# Altium PCB MainBoard_Layout_V2.1.PcbDoc (part 3 of 3)
Units mil, origin at the board's own origin, x right, y up, seen from the top; angles counter-clockwise.
Board outline 6141.73 x 3281.1 mil, 4 copper layers (Top Layer 1, Top Layer, Bottom Layer, Bottom Layer 1), stack 61.811 mil thick; 308 components, 232 nets, 1106 pads, 632 vias.
Unrouted connection lines stored in the file: 2.
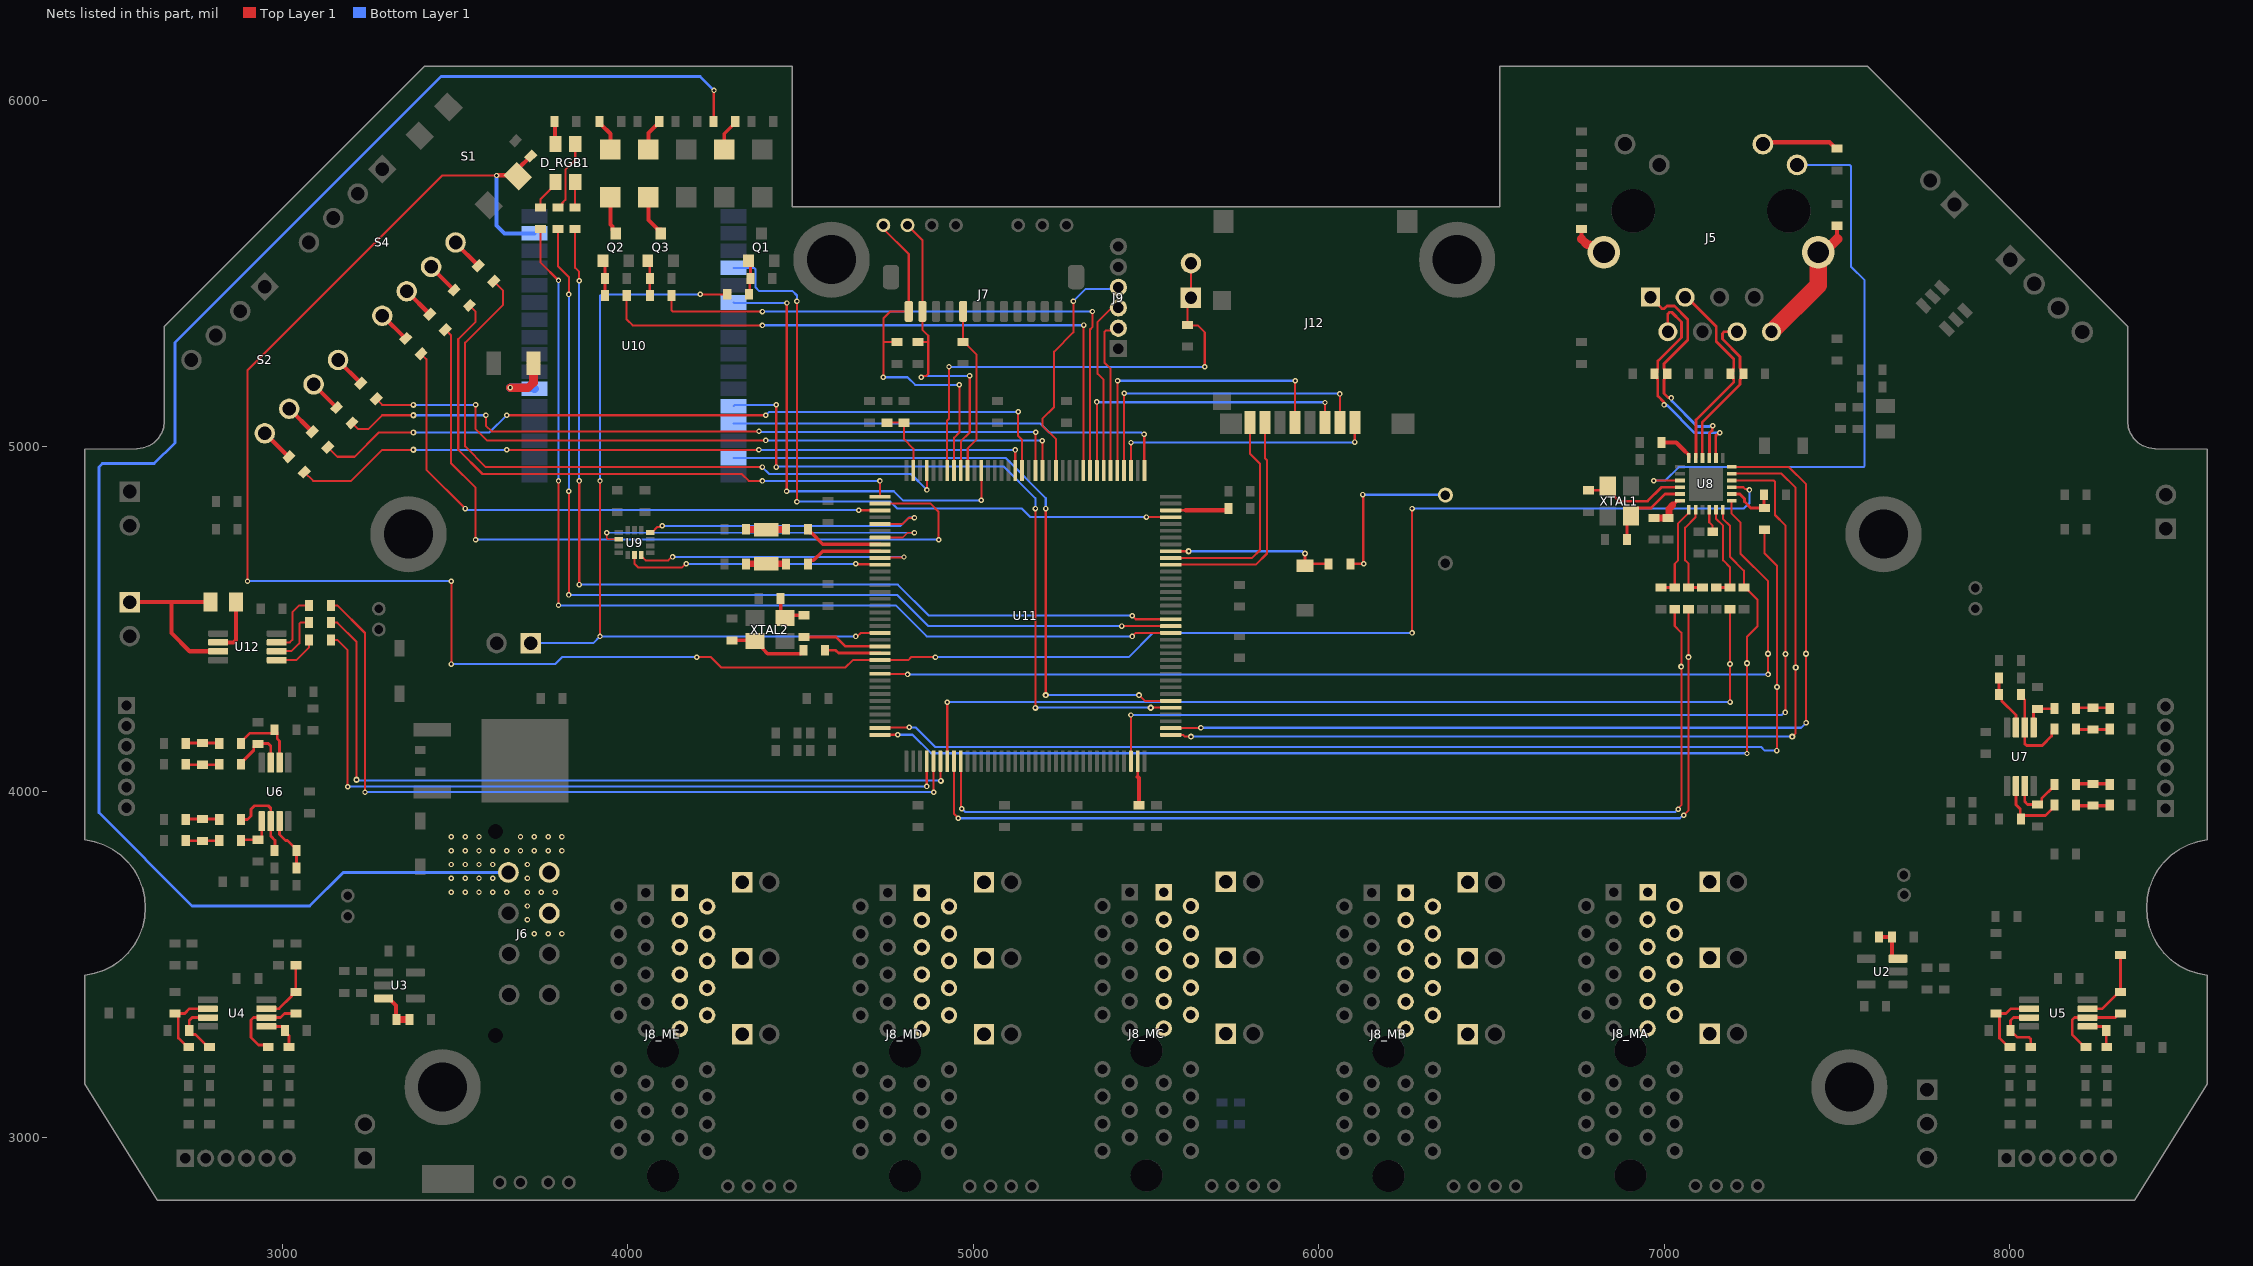
[diagram p5: the nets of this part, all layers, seen from the top]

## Via types
v1: diameter 15.75, hole 7.87, Top Layer 1 to Bottom Layer 1, tented both sides, 488 vias
v2: diameter 17.72, hole 7.87, Top Layer 1 to Bottom Layer 1, tented both sides, 119 vias
v3: diameter 17.72, hole 7.87, Top Layer 1 to Bottom Layer 1, 19 vias
v4: diameter 228.35, hole 141.73, Top Layer 1 to Bottom Layer 1, 6 vias

## Nets (pads, with @x,y where several pads share a name; then routed paths per layer and width w, separated by ;. In a path a pad name is that pad's centre, name@x,y a point inside that pad or via, vN(x,y) a via of type N, cw(c..) or ccw(c..) an arc to the next point about the centre after c; other vN are vias at no path point) (continued)
NetC23_1: C23.1 R35.1 R36.2 | length 98.2
  Top Layer 1 w8: R35.1@2721.5,4140 2722.99,4141.5 C23.1@2770,4141.5 2817.01,4141.5 R36.2@2818.5,4140
NetC23_2: C23.2 R41.1 R42.2 | length 98.2
  Top Layer 1 w8: R41.1@2721.5,4080 2722.99,4078.5 C23.2@2770,4078.5 2817.01,4078.5 R42.2@2818.5,4080
NetC24_1: C24.1 R39.1 R40.2 | length 98.2
  Top Layer 1 w10: R40.2@8191.5,3961.89 8192.99,3960.39 C24.1@8240,3960.39 8287.01,3960.39 R39.1@8288.5,3961.89
NetC24_2: C24.2 R45.1 R46.2 | length 98.2
  Top Layer 1 w10: R46.2@8191.5,4021.89 8192.99,4023.39 C24.2@8240,4023.39 8287.01,4023.39 R45.1@8288.5,4021.89
NetC27_1: C27.1 R47.1 R48.2 | length 98.2
  Top Layer 1 w8: R47.1@2721.5,3920 2722.99,3921.5 C27.1@2770,3921.5 2817.01,3921.5 R48.2@2818.5,3920
NetC27_2: C27.2 R53.1 R54.2 | length 98.2
  Top Layer 1 w8: R53.1@2721.5,3860 2722.99,3858.5 C27.2@2770,3858.5 2817.01,3858.5 R54.2@2818.5,3860
NetC28_1: C28.1 R51.1 R52.2 | length 98.2
  Top Layer 1 w8: R52.2@8191.5,4181.89 8192.99,4180.39 C28.1@8240,4180.39 8287.01,4180.39 R51.1@8288.5,4181.89
NetC28_2: C28.2 R56.1 R57.2 | length 98.2
  Top Layer 1 w8: R57.2@8191.5,4241.89 8192.99,4243.39 C28.2@8240,4243.39 8287.01,4243.39 R56.1@8288.5,4241.89
NetC39_2: C39.2 C40.2 U8.6 | length 110
  Top Layer 1 w10: 7024.25,4830 7036.54,4842.28 U8.6@7045.2,4842.28
  Top Layer 1 w20: C40.2@6970,4792.99 C39.2@7010,4792.99 7011.8,4792.99 7013.61,4794.8 7013.61,4819.36 7024.25,4830
NetD3_1: D3.1 R85.2 U11.100 | length 497.6
  Top Layer 1 w8: U11.100@5571.57,4696.54 v2(5623.46,4696.54) ; v2(5960,4690) D3.1@5960,4654.37 5965.63,4660 R85.2@6028.5,4660
  Bottom Layer 1 w8: v2(5623.46,4696.54) 5950.84,4696.54 5957.37,4690 v2(5960,4690)
NetD_RGB1_1: D_RGB1.1 R97.2 | length 93.9
  Top Layer 1 w6: R97.2@3750,5693.31 R97.2@3748.19,5691.5 3748.19,5715.71 3791.46,5758.98 D_RGB1.1@3791.46,5764.88
NetD_RGB1_2: D_RGB1.2 R96.1 | length 66.1
  Top Layer 1 w12: R96.1@3788.5,5940 3789.98,5938.52 3789.98,5876.59 D_RGB1.2@3791.46,5875.12
NetD_RGB1_3: D_RGB1.3 R95.2 | length 206.8
  Top Layer 1 w6: R95.2@3798.19,5691.5 3802.13,5691.5 3810.94,5700.31 3810.94,5704.24 3820,5713.31 3820,5800 3848.54,5828.54 D_RGB1.3@3848.54,5875.12
NetD_RGB1_4: D_RGB1.4 R94.2 | length 73.5
  Top Layer 1 w6: R94.2@3848.19,5691.5 3848.19,5764.53 D_RGB1.4@3848.54,5764.88
NetDS1_1: DS1.1 R90.2 | length 94.1
  Top Layer 1 w12: R90.2@3918.5,5940 3918.5,5936.06 3924.32,5930.25 3950,5904.57 DS1.1@3950,5858.9
NetDS1_2: DS1.2 Q2.3 | length 112.1
  Top Layer 1 w12: DS1.2@3950,5721.1 3950,5642.44 3956.05,5636.39 3956.05,5625.31 Q2.3@3965.8,5615.56
NetDS2_1: DS2.1 R98.2 | length 95.2
  Top Layer 1 w12: DS2.1@4060,5858.9 4060,5906.43 4083.83,5930.25 4085.68,5930.25 4091.5,5936.06 R98.2@4091.5,5940
NetDS2_2: DS2.2 Q3.3 | length 115.7
  Top Layer 1 w12: DS2.2@4060,5721.1 4060,5654.96 4086.05,5628.91 4086.05,5627.28 Q3.3@4097.13,5627.28
NetF1_1: F1.1 U10.22 | length 201
  Top Layer 1 w25: v1(3660,5170) 3712.84,5170 3727.48,5184.64 F1.1@3727.48,5240
  Bottom Layer 1 w25: v1(3660,5170) 3726.69,5170 U10.22@3730.5,5166.19
NetHV_FB1_1: HV_FB.1 R89.2 U11.21 | length 2387.3
  Top Layer 1 w6: v1(3920,4450) v1(3920,4900) ; v1(4210,5440) R89.2@4288.5,5440 R89.2@4295.77,5440 ; v1(4660,4450) 4664.77,4450 4675.16,4460.39 4730.63,4460.39 U11.21@4731.02,4460.79
  Bottom Layer 1 w6: HV_FB.1@3719.21,4430.67 3900.67,4430.67 v1(3920,4450) v1(4660,4450) ; v1(3920,4900) 3920,5435.28 3924.72,5440 v1(4210,5440)
NetJ9_2: J9.2 U11.114 | length 463.3
  Top Layer 1 w6: U11.114@5397.56,4930.47 5397.56,5224.13 5380,5241.69 5380,5331.22 5383.51,5334.73 J9.2@5433.79,5334.73
NetJ9_3: J9.3 U11.115 | length 522.2
  Top Layer 1 w6: U11.115@5377.48,4930 5377.48,5192.52 5360,5210 5360,5360 5399.51,5399.51 J9.3@5428.57,5399.51
NetJ9_4: J9.4 U11.122 | length 691.3
  Top Layer 1 w6: U11.122@5239.69,4930 5240,4930.31 5240,5020 5200,5060 5200,5080 5233.97,5113.97 5233.97,5273.97 5290,5330 v1(5290,5420)
  Bottom Layer 1 w6: v1(5290,5420) 5325.66,5455.66 J9.4@5422.54,5455.66
NetJ12_1: J12.1 U11.111 | length 785.3
  Top Layer 1 w6: v1(5456.57,5010.87) 5456.61,5010.83 U11.111@5456.61,4930.47 ; v1(6104.11,5012.5) J12.1@6104.11,5069.15
  Bottom Layer 1 w6: v1(5456.57,5010.87) 5457.38,5011.69 6103.3,5011.69 v1(6104.11,5012.5)
NetJ12_2: J12.2 U11.112 | length 930.5
  Top Layer 1 w6: U11.112@5436.93,4930.47 5436.93,5153.64 v1(5437.15,5153.86) ; J12.2@6060.83,5069.17 v1(6060.83,5151.6)
  Bottom Layer 1 w6: v1(5437.15,5153.86) 5438.28,5152.73 6059.7,5152.73 v1(6060.83,5151.6)
NetJ12_3: J12.3 U11.116 | length 914.2
  Top Layer 1 w6: U11.116@5357.46,4933.44 5357.63,4933.61 5357.63,5128.27 v1(5357.46,5128.44) ; J12.3@6017.52,5069.17 6017.96,5069.61 v1(6017.96,5126.96)
  Bottom Layer 1 w6: v1(5357.46,5128.44) 5358.2,5127.7 6017.22,5127.7 v1(6017.96,5126.96)
NetJ12_5: J12.5 U11.113 | length 895
  Top Layer 1 w6: U11.113@5417.24,4930.47 5417.24,5189.28 v1(5417.64,5189.68) ; J12.5@5930.91,5069.17 5930.91,5189.09 v1(5931.84,5190.03)
  Bottom Layer 1 w6: v1(5417.64,5189.68) 5417.82,5189.85 5931.66,5189.85 v1(5931.84,5190.03)
NetJ12_7: J12.7 U11.98 | length 673
  Top Layer 1 w6: U11.98@5571.97,4657.64 5817.64,4657.64 5850,4690 5850,4960 5844.29,4965.71 J12.7@5844.29,5069.17
NetJ12_8: J12.8 U11.99 | length 648.6
  Top Layer 1 w6: U11.99@5571.97,4677.32 5807.32,4677.32 5830,4700 5830,4950 5800.98,4979.02 J12.8@5800.98,5069.17
NetJ13_1: J13.1 R108.2 U12.3 | length 469.3
  Top Layer 1 w12: J13.1@2570.12,4550 2680,4550 R108.2@2793,4550 ; 2680,4549.21 2680,4460 2732.8,4407.2 U12.3@2815.35,4407.2
NetPboot1_1: Pboot1.1 Pboot1.2 R101.1 U11.138 | length 1383.7
  Top Layer 1 w6: U11.138@4924.72,4930 4924.72,5074.72 4930,5080 v1(4930,5230) ; Pboot1.2@5630,5530 Pboot1.1@5630,5430 5620,5420 R101.1@5620,5351.5 5621.5,5350 5650,5350 5670,5330 v1(5670,5230)
  Bottom Layer 1 w6: v1(4930,5230) v1(5670,5230)
NetQ1_1: Q1.1 R89.1 R92.1 | length 100.9
  Top Layer 1 w8: Q1.1@4349.48,5536.82 4355.38,5530.91 R92.1@4355.38,5486.19 4353.44,5484.24 4353.44,5441.94 R89.1@4351.5,5440
NetQ2_1: Q2.1 R91.1 R93.1 | length 103.1
  Top Layer 1 w8: Q2.1@3928.4,5536.82 3934.3,5530.91 R93.1@3934.3,5486.19 R91.1@3934.3,5436.19
NetQ3_1: Q3.1 R99.1 R100.1 | length 103.1
  Top Layer 1 w8: Q3.1@4058.4,5536.82 4064.3,5530.91 R100.1@4064.3,5486.19 R99.1@4064.3,5436.19
NetR2_1: R2.1 R4.2 U2.3 | length 113.6
  Top Layer 1 w12: R2.1@7621.5,3580 R4.2@7658.5,3580 7658.5,3523.21 7664.31,3517.4 U2.3@7675.87,3517.4
NetR3_1: R3.1 R5.2 U3.3 | length 122.4
  Top Layer 1 w12: U3.3@3294.13,3402.6 3309.69,3402.6 3330,3382.28 3330,3343.31 R5.2@3331.5,3341.81
  Top Layer 1 w20: R5.2@3331.5,3341.81 R3.1@3368.5,3341.81
NetR6_2: R6.2 R9.1 U4.2 | length 216.2
  Top Layer 1 w8: R6.2@2690,3358.5 R6.2@2692.19,3358.5 ; R9.1@2730,3261.5 2726.06,3261.5 2700,3287.56 2700,3350.69 R6.2@2692.19,3358.5 ; U4.2@2785.35,3372.8 2732.8,3372.8 2718.5,3358.5 R6.2@2692.19,3358.5
NetR7_2: R7.2 R11.1 U5.2 | length 216.2
  Top Layer 1 w8: R7.2@7960,3358.5 R7.2@7962.19,3358.5 ; R11.1@8000,3261.5 7996.06,3261.5 7970,3287.56 7970,3350.69 R7.2@7962.19,3358.5 ; U5.2@8055.35,3372.8 8002.8,3372.8 7988.5,3358.5 R7.2@7962.19,3358.5
NetR15_1: R15.1 R30.1 U4.3 | length 166.9
  Top Layer 1 w8: U4.3@2785.35,3347.2 2740.2,3347.2 2731.5,3338.5 R30.1@2731.5,3310 2731.5,3306.06 2739.31,3298.25 2749.31,3298.25 2786.06,3261.5 R15.1@2790,3261.5
NetR17_1: R17.1 R32.1 U5.3 | length 180.8
  Top Layer 1 w8: U5.3@8055.35,3347.2 8010.2,3347.2 8001.5,3338.5 R32.1@8001.5,3310 8001.5,3306.06 8009.31,3298.25 8013.24,3298.25 8021.5,3290 8055.31,3290 8060,3285.31 R17.1@8060,3261.5
NetR18_2: R18.2 R21.1 U4.6 | length 249.5
  Top Layer 1 w8: R21.1@2960,3261.5 2953.75,3267.75 2932.25,3267.75 2910,3290 2910,3340 2917.2,3347.2 U4.6@2954.65,3347.2 2954.69,3347.24 2995.58,3347.24 3006.84,3358.5 R18.2@3040,3358.5
NetR19_2: R19.2 R23.1 U5.6 | length 245
  Top Layer 1 w8: R23.1@8220,3261.5 8216.06,3261.5 8180,3297.56 8180,3340 8187.2,3347.2 U5.6@8224.65,3347.2 8304.76,3347.2 8316.06,3358.5 R19.2@8320,3358.5
NetR27_1: R27.1 R31.1 U4.5 | length 114.2
  Top Layer 1 w8: U4.5@2954.65,3321.61 3000.69,3321.61 3000.69,3320 3008.5,3312.19 R31.1@3008.5,3310 3008.5,3306.06 3020,3294.57 R27.1@3020,3261.5
NetR29_1: R29.1 R33.1 U5.5 | length 110
  Top Layer 1 w8: U5.5@8224.65,3321.61 8270.69,3321.61 8270.69,3320 8278.5,3312.19 R33.1@8278.5,3310 8278.5,3262.99 R29.1@8280,3261.5
NetR34_2: R34.2 R36.1 U6.2 | length 218.4
  Top Layer 1 w8: R36.1@2881.5,4140 2881.5,4143.94 2907.56,4170 2970.69,4170 2978.5,4177.81 R34.2@2978.5,4180 2986.32,4172.19 2986.32,4153.69 2992.8,4147.2 U6.2@2992.8,4084.65
NetR37_2: R37.2 R40.1 U7.2 | length 223
  Top Layer 1 w8: U7.2@8017.2,4017.24 8017.2,3962.8 8030,3950 8030,3933.64 8025.05,3928.69 8024.7,3928.69 R37.2@8031.5,3921.89 8031.5,3924.08 8039.31,3931.89 8102.44,3931.89 8128.5,3957.95 R40.1@8128.5,3961.89
NetR42_1: R42.1 R58.1 U6.3 | length 169.9
  Top Layer 1 w8: R42.1@2881.5,4080 2881.5,4082.19 2889.31,4090 2889.31,4091.75 2918.25,4120.69 2918.25,4130.69 2926.06,4138.5 R58.1@2930,4138.5 2931.5,4140 2960,4140 2967.2,4132.8 U6.3@2967.2,4084.65
NetR44_2: R44.2 R48.1 U6.6 | length 245.7
  Top Layer 1 w8: R48.1@2881.5,3920 2900,3920 2910,3930 2910,3950 2920,3960 2960,3960 2967.2,3952.8 U6.6@2967.2,3915.35 2967.2,3872.8 2980,3860 2980,3831.5 R44.2@2978.5,3830
NetR46_1: R46.1 R60.1 U7.3 | length 167
  Top Layer 1 w8: U7.3@8042.8,4017.24 8042.8,3971.89 8051.3,3963.39 R60.1@8080,3963.39 8083.94,3963.39 8091.75,3971.2 8091.75,3981.2 8128.5,4017.95 R46.1@8128.5,4021.89
NetR49_2: R49.2 R52.1 U7.6 | length 261.7
  Top Layer 1 w8: R49.2@8031.5,4281.89 8031.5,4277.95 8042.99,4266.45 8042.99,4186.73 U7.6@8042.8,4186.54 8042.8,4139.36 8047.48,4134.67 8093.49,4134.67 8120.69,4161.88 8120.69,4174.08 R52.1@8128.5,4181.89
NetR54_1: R54.1 R59.1 U6.5 | length 110
  Top Layer 1 w8: R54.1@2881.5,3860 2882.99,3861.5 R59.1@2930,3861.5 2933.8,3861.5 2941.61,3869.31 U6.5@2941.61,3915.35
NetR57_1: R57.1 R61.1 U7.5 | length 110
  Top Layer 1 w8: U7.5@8068.39,4186.54 8068.39,4232.58 8076.2,4240.39 R61.1@8080,4240.39 8127.01,4240.39 R57.1@8128.5,4241.89
NetR73_1: R73.1 U8.10 | length 67.9
  Top Layer 1 w6: U8.10@7129.84,4816.69 7129.84,4780.16 7139.71,4770.29 7139.71,4753.28 R73.1@7140,4752.99
NetR85_1: R85.1 S3.P | length 480.3
  Top Layer 1 w6: v1(6127.05,4860.49) v1@6128.53,4859.01 ; v1@6128.53,4661.47 v1(6130,4660)
  Top Layer 1 w8: R85.1@6091.5,4660 v1(6130,4660) ; v1@6128.53,4661.47 v1@6128.53,4859.01
  Bottom Layer 1 w6: v1(6127.05,4860.49) v1@6127.85,4859.69 ; S3.P@6365.66,4859.69 S3.P@6366.46,4858.9
  Bottom Layer 1 w8: v1@6127.85,4859.69 S3.P@6365.66,4859.69
NetR88_1: R88.1 VCC.1 | length 94.1
  Top Layer 1 w10: VCC.1@4280,5858.9 4280,5904.57 4311.5,5936.06 R88.1@4311.5,5940
NetR91_2: R91.2 U11.118 | length 1821.1
  Top Layer 1 w6: R91.2@3997.3,5436.19 3997.3,5367.03 4014.33,5350 v1(4390,5350) ; U11.118@5318.43,4930 5319.27,4930.84 5319.27,5350.13 v1(5320.11,5350.98)
  Bottom Layer 1 w6: v1(4390,5350) 4390.49,5350.49 5319.62,5350.49 v1(5320.11,5350.98)
NetR94_1: R94.1 U11.90 | length 2786.5
  Top Layer 1 w6: R94.1@3848.19,5628.5 3848.19,5516.32 3859.79,5504.72 v1(3859.79,5479.13) ; v1(3860,4600) v1(3860,4900) ; v1(5460,4510) 5470.31,4499.69 U11.90@5571.57,4499.69
  Bottom Layer 1 w6: v1(3859.79,5479.13) 3859.89,5479.02 3859.89,4900.1 v1(3860,4900) ; v1(3860,4600) 4782.12,4600 4872.12,4510 v1(5460,4510)
NetR95_1: R95.1 U11.89 | length 2850.5
  Top Layer 1 w6: R95.1@3798.19,5628.5 3798.19,5521.81 3830,5490 v1(3830,5439.68) ; v1(3830,4570) v1(3830,4870) ; v1(5430,4480) U11.89@5571.57,4480
  Bottom Layer 1 w6: v1(3830,4570) 4780,4570 4870,4480 v1(5430,4480) ; v1(3830,4870) v1(3830,5439.68)
NetR97_1: R97.1 U11.88 | length 2923.1
  Top Layer 1 w6: R97.1@3748.19,5628.5 3748.19,5531.81 v1(3800,5480) ; v1(3800,4540) v1(3800,4900) ; v1(5460,4450) 5470.31,4460.31 U11.88@5571.57,4460.31
  Bottom Layer 1 w6: v1(3800,4540) 4775.45,4540 4865.45,4450 v1(5460,4450) ; v1(3800,4900) v1(3800,5480)
NetR99_2: R99.2 U11.117 | length 1725
  Top Layer 1 w6: R99.2@4127.3,5436.19 4127.3,5393.51 4130.81,5390 v1(4390,5390) ; U11.117@5338.11,4930 5338.11,5338.11 5345.03,5345.03 v1(5345.03,5390.23)
  Bottom Layer 1 w6: v1(4390,5390) 4390.11,5390.11 5344.91,5390.11 v1(5345.03,5390.23)
NetR102_1: R102.1 R103.1 U11.143 | length 199.1
  Top Layer 1 w6: R103.1@4750,5068.5 R102.1@4800,5068.5 4800,5020 4826.69,4993.31 U11.143@4826.69,4930.47
NetR108_1: R108.1 U12.2 | length 164.7
  Top Layer 1 w12: U12.2@2815.35,4432.8 2859.97,4432.8 2867,4439.82 R108.1@2867,4550
NetR109_1: R109.1 U11.41 | length 2335.5
  Top Layer 1 w6: R109.1@3135.36,4540 3160,4540 3240,4460 v1(3240,3999.46) ; v1(4885.58,3998.83) 4885.47,3998.95 4885.47,4089.25 U11.41@4885.75,4089.53
  Bottom Layer 1 w6: v1(3240,3999.46) 3240.54,4000 4884.41,4000 v1(4885.58,3998.83)
NetR109_2: R109.2 U12.7 | length 188.6
  Top Layer 1 w6: U12.7@2984.65,4432.8 3022.8,4432.8 3030,4440 3030,4520 3050,4540 R109.2@3081.99,4540
NetR110_1: R110.1 U11.42 | length 2244.4
  Top Layer 1 w6: R110.1@3143.27,4490 3160,4490 3215.32,4434.68 3215.32,4035.32 v2(3215.46,4035.18) ; U11.42@4905.43,4089.53 4905.65,4089.31 4905.65,4032.72 v2(4906.26,4032.11)
  Bottom Layer 1 w6: v2(3215.46,4035.18) 3217,4033.64 4904.73,4033.64 v2(4906.26,4032.11)
NetR110_2: R110.2 U12.6 | length 165.8
  Top Layer 1 w6: U12.6@2984.65,4407.2 3027.2,4407.2 3050,4430 3050,4486.49 3053.51,4490 R110.2@3083.08,4490
NetR111_1: R111.1 U11.40 | length 2206.5
  Top Layer 1 w6: R111.1@3139.6,4440 3160,4440 3190,4410 3190,4015.49 v1(3189.79,4015.28) ; v1(4865.29,4015.87) 4865.48,4016.07 U11.40@4865.48,4088.94
  Bottom Layer 1 w6: v1(3189.79,4015.28) 3190.09,4015.58 4864.99,4015.58 v1(4865.29,4015.87)
NetR111_2: R111.2 U12.5 | length 130.6
  Top Layer 1 w6: U12.5@2984.65,4381.61 3041.61,4381.61 3078.5,4418.5 R111.2@3078.5,4440
NetR115_1: R115.1 S2.1B | length 94.9
  Top Layer 1 w12: S2.1B@3162.13,5250 3162.13,5248.93 3227.73,5183.34 R115.1@3227.73,5182.27
NetR115_2: R115.2 U11.124 | length 2105.6
  Top Layer 1 w6: R115.2@3272.27,5137.73 3290,5120 v2(3380,5120) ; v1(3560,5120) 3560,5050 3593.4,5016.6 4398.83,5016.6 v1(4399.35,5017.13) ; v1(5199.92,5015.82) 5200.12,5015.63 5200.12,4930.2 U11.124@5200.31,4930
  Bottom Layer 1 w6: v2(3380,5120) v1(3560,5120) ; v1(4399.35,5017.13) 4400.01,5016.48 5199.27,5016.48 v1(5199.92,5015.82)
NetR116_1: R116.1 S2.2B | length 94.5
  Top Layer 1 w12: S2.2B@3091.42,5179.29 3091.42,5178.93 3157.73,5112.63 R116.1@3157.73,5112.27
NetR116_2: R116.2 U11.125 | length 2151
  Top Layer 1 w6: R116.2@3202.27,5067.73 3220,5050 3250,5050 3290,5090 v2(3380,5090) ; v1(3590,5090) 3590,5060 3606.62,5043.38 v1(4380.17,5043.38) ; U11.125@5180.63,4930 5180.68,4930.05 5180.68,5040.52 v1(5180.73,5040.57)
  Bottom Layer 1 w6: v2(3380,5090) v1(3590,5090) ; v1(4380.17,5043.38) 4381.57,5041.98 5179.33,5041.98 v1(5180.73,5040.57)
NetR117_1: R117.1 S2.3B | length 94.5
  Top Layer 1 w12: S2.3B@3020.71,5108.58 3021.07,5108.58 3087.37,5042.27 R117.1@3087.73,5042.27
NetR117_2: R117.2 U11.127 | length 2237.7
  Top Layer 1 w6: R117.2@3132.27,4997.73 3160,4970 3210,4970 3280,5040 v2(3380,5040) ; v1(3650,5090) v1(4400,5090) ; v1(5130,5100) 5130,5030 5141.26,5018.74 U11.127@5141.26,4930
  Bottom Layer 1 w6: v2(3380,5040) 3600,5040 v1(3650,5090) ; v1(4400,5090) 4410,5100 v1(5130,5100)
NetR118_1: R118.1 S2.4B | length 98.1
  Top Layer 1 w12: S2.4B@2950,5037.87 2951.07,5037.87 3018.93,4970 R118.1@3020,4970
NetR118_2: R118.2 U11.128 | length 2164.6
  Top Layer 1 w6: R118.2@3064.54,4925.46 3090,4900 3200,4900 3290,4990 v2(3380,4990) ; v1(3650,4990) v1(4380,4990) ; U11.128@5121.57,4930 v1@5121.56,4989.51
  Bottom Layer 1 w6: v2(3380,4990) v1(3650,4990) ; v1(4380,4990) 5121.06,4990 v1(5121.54,4989.53)
NetR119_1: R119.1 S4.1B | length 94.9
  Top Layer 1 w12: S4.1B@3502.13,5590 3502.13,5588.93 3567.73,5523.34 R119.1@3567.73,5522.27
NetR119_2: R119.2 U11.141 | length 1979.6
  Top Layer 1 w6: R119.2@3612.27,5477.73 3640,5450 3640,5410 3530,5300 3530,5000 3590,4940 v1(4390,4940) ; v1(4866.06,4873.94) U11.141@4866.06,4930.47
  Bottom Layer 1 w6: v1(4390,4940) 4410,4920 4820,4920 v1(4866.06,4873.94)
NetR120_1: R120.1 S4.2B | length 94.5
  Top Layer 1 w12: S4.2B@3431.42,5519.29 3431.42,5518.93 3497.73,5452.63 R120.1@3497.73,5452.27
NetR120_2: R120.2 U11.1 | length 1749.3
  Top Layer 1 w6: R120.2@3542.27,5407.73 3560,5390 3560,5360 3510,5310 3510,4990 3580,4920 4330,4920 4350,4900 v1(4390,4900) ; v1(4730,4900) 4730,4854.65 U11.1@4730.63,4854.02
  Bottom Layer 1 w6: v1(4390,4900) v1(4730,4900)
NetR121_1: R121.1 S4.3B | length 94.5
  Top Layer 1 w12: S4.3B@3360.71,5448.58 3361.07,5448.58 3427.37,5382.27 R121.1@3427.73,5382.27
NetR121_2: R121.2 U11.2 | length 2243.3
  Top Layer 1 w6: R121.2@3472.27,5337.73 3488.97,5321.03 3488.97,4951.03 3560,4880 v1(3560,4730) ; U11.2@4731.02,4834.8 4875.2,4834.8 4900,4810 v1(4900,4730)
  Bottom Layer 1 w6: v1(3560,4730) v1(4900,4730)
NetR122_1: R122.1 S4.4B | length 94.9
  Top Layer 1 w12: S4.4B@3290,5377.87 3291.07,5377.87 3356.66,5312.27 R122.1@3357.73,5312.27
NetR122_2: R122.2 U11.3 | length 1700.5
  Top Layer 1 w6: R122.2@3402.27,5267.73 3417.51,5252.49 3417.51,4932.49 v1(3530,4820) ; v1@4668.86,4815.12 U11.3@4731.02,4815.12
  Bottom Layer 1 w6: v1@3532.64,4820 3537.14,4815.49 v1(4668.48,4815.49)
NetU9_4: U9.4 U11.5 | length 888.5
  Top Layer 1 w6: U9.4@4065.67,4751.02 4070.79,4751.02 4086.58,4766.82 4096.63,4766.82 v1(4100,4770.19) ; U11.5@4731.02,4775.75 4795.75,4775.75 4813.1,4793.1 4829.36,4793.1 v1(4829.95,4793.69)
  Bottom Layer 1 w6: v1(4100,4770.19) 4100.19,4770 4790,4770 4813.69,4793.69 v1(4829.95,4793.69)
NetU9_9: U9.9 U11.7 | length 1045.9
  Top Layer 1 w5: v1(3940,4750) 3940,4734.27 3942.93,4731.34 U9.9@3974.33,4731.34 ; U11.7@4731.02,4736.38 4796.38,4736.38 4810,4750 v1(4830,4750)
  Bottom Layer 1 w5: v1(3940,4750) v1(4830,4750)
NetU9_13: U9.13 U11.11 | length 746
  Top Layer 1 w6: U9.13@4020,4685.67 4020,4660 4030,4650 4157.67,4650 4167.67,4660 v1(4170,4660) ; v1(4660,4660) 4661.18,4658.82 4729.84,4658.82 U11.11@4731.02,4657.64
  Bottom Layer 1 w6: v1(4170,4660) v1(4660,4660)
NetU9_14: U9.14 U11.10 | length 843.7
  Top Layer 1 w6: U9.14@4039.68,4685.67 4039.68,4680.55 4043.57,4676.66 4045.49,4676.66 4052.15,4670 4117.67,4670 4127.67,4680 v1(4130,4680) ; U11.10@4731.02,4677.32 4732.27,4678.57 4798.57,4678.57 v1(4799.81,4679.81)
  Bottom Layer 1 w6: v1(4130,4680) 4130.09,4679.91 4799.72,4679.91 v1(4799.81,4679.81)
NetU10_4: U10.4 U11.105 | length 1943.9
  Top Layer 1 w6: v1(4490,4840) v1(4490,5420) ; v1(5501.27,4795.43) U11.105@5571.97,4795.43
  Bottom Layer 1 w6: U10.4@4306.88,5516.19 4366.49,5516.19 4370,5512.67 4370,5460 4380,5450 4476.49,5450 4490,5436.49 v1(4490,5420) ; v1(4490,4840) 4760,4840 4780,4820 5140,4820 5164.57,4795.43 v1(5501.27,4795.43)
NetU10_6: U10.6 U11.133 | length 1361
  Top Layer 1 w6: v1(4460,4870) 4460.44,4870.44 4460.44,5414.36 v1(4460.88,5414.81) ; U11.133@5023.54,4930.47 5023.54,4843.82 v1(5023.61,4843.75)
  Bottom Layer 1 w6: U10.6@4306.88,5416.19 4308.26,5414.81 v1(4460.88,5414.81) ; v1(4460,4870) 4770,4870 4796.25,4843.75 v1(5023.61,4843.75)
NetU10_12: U10.12 U11.77 | length 2087.9
  Top Layer 1 w6: v1(4430,4940) v1(4430,5120) ; v2@5180,4247.77 v1(5180,4820) ; v2(5513.78,4243.78) U11.77@5571.57,4243.78 ; U11.77@5571.57,4244.25 U11.77@5571.97,4244.25
  Bottom Layer 1 w6: U10.12@4306.88,5116.19 4310.69,5120 v1(4430,5120) ; v1(4430,4940) 4431.74,4941.74 5088.26,4941.74 5180,4850 v1(5180,4820) ; v2(5179.92,4243.41) 5180.28,4243.78 v2(5513.78,4243.78)
NetU10_13: U10.13 U11.109 | length 1305.4
  Top Layer 1 w6: v1(5494.44,5034.65) 5495.02,5034.07 5495.02,4931.44 U11.109@5495.92,4930.54
  Bottom Layer 1 w6: U10.13@4306.88,5066.19 4306.93,5066.14 5171.37,5066.14 ; 5171.37,5066.2 5193.8,5066.2 5220,5040 5486.45,5040 5491.81,5034.65 v1(5494.44,5034.65)
NetU10_15: U10.15 U11.78 | length 1890.3
  Top Layer 1 w6: v2(5210,4280) v1(5210,4820) ; v2(5480,4280) 5496.54,4263.46 U11.78@5571.5,4263.46 ; U11.78@5571.57,4263.46 U11.78@5571.5,4263.46 ; U11.78@5571.97,4263.94 U11.78@5571.5,4263.46
  Bottom Layer 1 w6: U10.15@4306.88,4966.19 5093.81,4966.19 5210,4850 v1(5210,4820) ; v2(5210,4280) v2(5480,4280)
NRST: C49.2 S1.4 U8.15 U10.31 U11.25 | length 7072.1
  Top Layer 1 w6: v1(2900,4610) 2900,5220 3463.69,5783.69 v1(3620.7,5783.69) ; v1(3490,4370) v1(3490,4610) ; v1(4200,4390) 4241.25,4390 4271.25,4360 4630,4360 4651.57,4381.57 U11.25@4730.63,4381.57 4811.57,4381.57 4820,4390 v1(4890.7,4390) ; v1(6270,4460) v1(6270,4820) ; U8.15@7194.8,4881.65 7228.35,4881.65 7232.8,4877.2 7242.8,4877.2 v1(7246.17,4873.83)
  Top Layer 1 w12: v1(3620.7,5783.69) 3621.34,5784.32 3679.19,5784.32 S1.4@3681.98,5781.54 3681.98,5801.98 C49.2@3720,5840
  Bottom Layer 1 w6: v1(2900,4610) v1(3490,4610) ; v1(3490,4370) 3790,4370 3810,4390 v1(4200,4390) ; v1(4890.7,4390) 5450,4390 5520,4460 v1(6270,4460) ; v1(6270,4820) 7230,4820 7246.17,4836.17 v1(7246.17,4873.83)
  Bottom Layer 1 w12: v1(3620.7,5783.69) 3620.7,5639.3 3643.81,5616.19 U10.31@3730.5,5616.19
OSC32_IN: C73.1 R106.1 XTAL3.2 | length 116.2
  Top Layer 1 w20: C73.1@4342.99,4760 4343.39,4759.61 4401.1,4759.61 XTAL3.2@4401.5,4759.21 4401.89,4759.61 4458.11,4759.61 R106.1@4458.5,4760
OSC32_OUT: C74.1 R107.1 XTAL3.1 | length 116.2
  Top Layer 1 w20: C74.1@4342.99,4660 4343.39,4660.39 4401.1,4660.39 XTAL3.1@4401.5,4660.79 4401.89,4660.39 4458.11,4660.39 R107.1@4458.5,4660
OSC_IN: C52.1 R104.1 XTAL2.3 | length 130
  Top Layer 1 w10: C52.1@4442.99,4570 4442.99,4515.28 XTAL2.3@4454.8,4503.46 4462.83,4511.5 R104.1@4510,4511.5
OSC_OUT: C72.1 R105.1 XTAL2.1 | length 231.3
  Top Layer 1 w10: C72.1@4301.5,4438.5 4366.22,4438.5 XTAL2.1@4368.19,4436.54 4372.13,4436.54 4390.75,4417.91 4390.75,4413.98 4404.72,4400 4501.69,4400 4508.5,4406.81 R105.1@4508.5,4410
PC14-OSC32_IN: R106.2 U11.8 | length 229.8
  Top Layer 1 w10: R106.2@4521.5,4760 4521.5,4756.06 4528.31,4749.25 4532.24,4749.25 4564.8,4716.69 U11.8@4731.02,4716.69
PC15-OSC32_OUT: R107.2 U11.9 | length 227.2
  Top Layer 1 w10: R107.2@4521.5,4660 4521.5,4663.94 4528.31,4670.75 4537.81,4670.75 4564.07,4697.01 U11.9@4731.02,4697.01
PH0-OSC_IN: R104.2 U11.23 | length 232.2
  Top Layer 1 w8: R104.2@4510,4448.5 4602.91,4448.5 4630,4421.42 U11.23@4731.02,4421.42
PH1-OSC_OUT: R105.2 U11.24 | length 163
  Top Layer 1 w8: R105.2@4571.5,4410 4601.73,4410 4610,4401.73 U11.24@4731.02,4401.73
PHY_OSC1: C45.2 U8.4 XTAL1.3 | length 311.4
  Top Layer 1 w8: C45.2@6780,4872.99 6824.72,4872.99 XTAL1.3@6836.54,4884.8 6856.16,4865.18 6856.16,4853.84 6868.63,4841.37 6951.37,4841.37 6991.65,4881.65 U8.4@7045.2,4881.65
PHY_OSC2: C44.2 U8.5 XTAL1.1 | length 243.6
  Top Layer 1 w8: C44.2@6891.5,4730 6891.5,4786.22 XTAL1.1@6903.46,4798.19 6903.46,4802.13 6923.09,4821.75 6961.75,4821.75 7001.97,4861.97 U8.5@7045.2,4861.97
PMS_ALERT_PWR_BRD: J7.5 R84.1 U11.135 | length 489.3
  Top Layer 1 w6: J7.5@4970.94,5390.59 4970.94,5300.55 4974.88,5300.55 4982.75,5292.69 5010,5265.43 5010,5020 4984.17,4994.17 U11.135@4984.17,4930.47
PMS_SCL_PWR_BRD: J7.2 PMS_SCL.1 R83.1 U11.136 | length 935.5
  Top Layer 1 w6: PMS_SCL.1@4810,5640 4852.83,5597.17 J7.2@4852.83,5390.59 4852.83,5337.17 4870,5320 4870,5300 ; R83.1@4840,5301.5 4868.5,5301.5 4870,5300 ; v1(4850,5200) 4853.37,5203.37 4863.37,5203.37 4870,5210 4870,5300 ; U11.136@4964.49,4930.47 4964.49,5014.49 4990,5040 4990,5203.8 v1(4989.49,5204.31)
  Bottom Layer 1 w6: v1(4850,5200) 4851.87,5201.87 4856.84,5201.87 4858.39,5203.42 4988.59,5203.42 v1(4989.49,5204.31)
PMS_SDA_PWR_BRD: J7.1 PMS_SDA.1 R82.1 U11.137 | length 1054.8
  Top Layer 1 w6: v1(4740,5200) 4740,5300 4740,5301.5 ; PMS_SDA.1@4740,5640 4740,5630 4813.46,5556.54 J7.1@4813.46,5390.59 4760.59,5390.59 4740,5370 4740,5301.5 ; R82.1@4780,5301.5 4740,5301.5 ; U11.137@4944.8,4930.47 4944.8,5024.8 4960,5040 v1(4960,5178.04)
  Bottom Layer 1 w6: v1(4740,5200) 4810,5200 4831.96,5178.04 v1(4960,5178.04)
RA: J5.12 U8.3 | length 1746.8
  Top Layer 1 w6: v1(6968.96,4900.21) 6969.52,4900.77 7044.63,4900.77 U8.3@7045.2,4901.34
  Bottom Layer 1 w6: v1(6968.96,4900.21) 6969.59,4900.85 7001.91,4900.85 7041.06,4940 7576.17,4940 7579.69,4943.51 7579.69,5480.31 7540,5520 7540,5811.05 7536.49,5814.57 J5.12@7384.02,5814.57
RBIAS: R75.2 U8.24 | length 103.1
  Top Layer 1 w10: 7060,4985.75 7070.79,4974.96 U8.24@7070.79,4966.3
  Top Layer 1 w12: R75.2@6991.5,5011.5 7034.25,5011.5 7060,4985.75
RC: J5.11 R81.1 | length 225
  Top Layer 1 w12: J5.11@7285,5874.41 7290.59,5880 7477.56,5880 7496.06,5861.5 R81.1@7500,5861.5
RD_N: J5.6 R65.2 U8.22 | length 479.2
  Top Layer 1 w8: U8.22@7110.16,4966.3 7109.31,4967.14 7109.31,5069.31 7219,5179 7219,5193.57 7220.69,5195.26 7220.69,5202.19 R65.2@7228.5,5210 7220.69,5217.81 7220.69,5224.74 7219,5226.43 7219,5259.36 7168,5310.36 7168,5326.81 7172.69,5331.5 J5.6@7210,5331.5
RD_P: J5.3 R67.2 U8.23 | length 580.6
  Top Layer 1 w8: J5.3@7060,5431.5 7065.71,5431.5 7150,5347.21 7150,5302.91 7201,5251.91 7201,5226.43 7199.31,5224.74 7199.31,5217.81 R67.2@7191.5,5210 7199.31,5202.19 7199.31,5195.26 7201,5193.57 7201,5186.46 7091.31,5076.77 7091.31,4967.14 U8.23@7090.47,4966.3
RMII_CRS_DV: R74.2 U11.43 | length 2704.6
  Top Layer 1 w6: v1(4925.01,4259.48) 4924.87,4259.34 4924.87,4089.78 U11.43@4925.12,4089.53 ; v1(7190,4260) R74.2@7190,4528.5
  Bottom Layer 1 w6: v1(4925.01,4259.48) 4926.17,4260.64 6205.09,4260.64 6205.99,4259.74 7189.74,4259.74 v1(7190,4260)
  other v3: 7190,4370
RMII_CRS_DV_PHY: R64.1 R74.1 U8.11 | length 282
  Top Layer 1 w6: U8.11@7149.53,4816.69 7149.53,4790.47 7170,4770 7170,4670 7190,4650 R74.1@7190,4591.5
  Top Layer 1 w8: R64.1@7150,4591.5 R74.1@7190,4591.5
RMII_MDC: U8.13 U11.27 | length 3115.9
  Top Layer 1 w6: U11.27@4731.02,4342.68 4732.36,4341.34 4808.66,4341.34 v1(4810,4340) ; U8.13@7194.8,4842.28 7194.8,4805.2 7220,4780 7220,4690 7300,4610 v1(7300,4340)
  Bottom Layer 1 w6: v1(4810,4340) v1(7300,4340)
  other v3: 7300,4400
RMII_MDIO: R63.1 U8.12 U11.36 | length 3292.8
  Top Layer 1 w6: U11.36@4731.02,4165.51 v1(4781.55,4165.51) ; U8.12@7169.21,4816.69 7169.21,4790.79 7190,4770 7190,4680 7230,4640 R63.1@7230,4591.5 7233.94,4591.5 7270,4555.43 7270,4480 7239.07,4449.07 v1(7239.07,4111.24)
  Bottom Layer 1 w6: v1(4781.55,4165.51) 4824.49,4165.51 4878.11,4111.89 7238.43,4111.89 v1(7239.07,4111.24)
  other v3: 7239.16,4372.54
RMII_REF_CLK: R76.2 U11.35 | length 3277
  Top Layer 1 w6: U11.35@4731.02,4185.2 4731.96,4186.13 4814.14,4186.13 v1(4815.07,4187.07) ; R76.2@7290,4758.5 7290,4690 7326.18,4653.82 7326.18,4120.77 v1(7325.13,4119.72)
  Bottom Layer 1 w6: v1(4815.07,4187.07) 4832.93,4187.07 4890,4130 7280,4130 7290.28,4119.72 v1(7325.13,4119.72)
  other v3: 7326.08,4303.48
RMII_REF_CLK_PHY: R62.1 R76.1 U8.14 | length 156.1
  Top Layer 1 w8: U8.14@7194.8,4861.97 7218.03,4861.97 7231.5,4848.5 7231.5,4840 7250,4821.5 R76.1@7290,4821.5 7288.5,4822.99 R62.1@7288.5,4860
RMII_RXD0: R71.2 U11.44 | length 2874.9
  Top Layer 1 w6: U11.44@4944.41,4089.06 4944.41,3936.53 v1(4957.1,3923.84) ; v1(7056.07,3932.68) 7070,3946.61 R71.2@7070,4528.5
  Top Layer 1 w8: v1(7056.07,3932.68) v1@7056.07,3932.93
  Bottom Layer 1 w6: v1(4957.1,3923.84) 7044.59,3923.84 7053.43,3932.68 v1(7056.07,3932.68)
  other v3: 7070,4390
RMII_RXD0_PHY: R68.1 R71.1 U8.8 | length 282
  Top Layer 1 w6: R71.1@7070,4591.5 7070,4660 7060,4670 7060,4765 7090,4795 7090,4816.22 U8.8@7090.47,4816.69
  Top Layer 1 w8: R71.1@7070,4591.5 R68.1@7110,4591.5
RMII_RXD1: R72.2 U11.45 | length 2809.1
  Top Layer 1 w6: U11.45@4964.09,4089.06 4964.09,3956.87 4967.18,3953.78 v1(4967.18,3951.14) ; R72.2@7030,4528.5 7030,4480 7048.99,4461.01 7048.99,3961.63 7040,3952.64 v1(7040,3950)
  Bottom Layer 1 w6: v1(4967.18,3951.14) 4976.17,3942.15 7031.61,3942.15 7039.46,3950 v1(7040,3950)
  other v3: 7048.63,4362.57
RMII_RXD1_PHY: R66.1 R72.1 U8.7 | length 282.1
  Top Layer 1 w6: R72.1@7030,4591.5 7030,4660 7040,4670 7040,4777.24 7070.79,4808.03 U8.7@7070.79,4816.69
  Top Layer 1 w8: R66.1@6990,4591.5 R72.1@7030,4591.5
RMII_TX_EN: U8.16 U11.70 | length 2836.7
  Top Layer 1 w6: v1(5456.36,4222.56) 5456.29,4222.49 5456.29,4089.85 U11.70@5456.56,4089.59 ; U8.16@7194.8,4901.34 7316.49,4901.34 7320,4897.82 7320,4801.27 7350,4771.27 v1(7350,4230)
  Bottom Layer 1 w6: v1(5456.36,4222.56) 7339.92,4222.56 7347.36,4230 v1(7350,4230)
  other v3: 7350.18,4399.05
RMII_TXD0: U8.17 U11.73 | length 2726.8
  Top Layer 1 w6: U11.73@5571.57,4165.04 5571.88,4164.73 5607.41,4164.73 5612.14,4160 v2(5630,4160) ; U8.17@7194.8,4921.02 7338.98,4921.02 7380,4880 7380,4170 v2(7370,4160)
  Bottom Layer 1 w6: v2(5630,4160) v2(7370,4160)
  other v3: 7380,4360
RMII_TXD1: U8.18 U11.74 | length 2771.3
  Top Layer 1 w6: U11.74@5571.57,4184.72 5572.03,4185.18 5658.6,4185.18 v1(5659.06,4185.64) ; U8.18@7194.8,4940.71 7359.29,4940.71 7410,4890 v1(7410,4200)
  Top Layer 1 w8: U11.74@5571.97,4185.2 U11.74@5572.19,4185.42
  Bottom Layer 1 w6: v1(5659.06,4185.64) 7395.64,4185.64 v1(7410,4200)
  other v3: 7410,4400
SHGND: J5.8 J5.S1 J5.S2 R77.1 R78.1 | length 504.7
  Top Layer 1 w12: 6760,5600 R77.1@6760,5628.5 ; 7500,5600 R78.1@7500,5638.5
  Top Layer 1 w25: 6760,5600 6776.85,5583.15 6784.42,5583.15 6806.16,5561.42 J5.S2@6824.96,5561.42
  Top Layer 1 w30: J5.S1@7445.04,5561.42 7461.42,5561.42 7500,5600
  Top Layer 1 w50: J5.8@7310,5331.5 7445.04,5466.54 J5.S1@7445.04,5561.42
SIN_A: R18.1 R24.2 U4.7 | length 184.8
  Top Layer 1 w8: U4.7@2954.65,3372.8 2991.3,3372.8 3028.25,3409.75 3028.25,3413.69 3036.06,3421.5 R18.1@3040,3421.5 R24.2@3040,3498.5
SIN_B: R49.1 R55.2 U7.7 | length 163.6
  Top Layer 1 w8: R55.2@7968.5,4330 R49.1@7968.5,4281.89 7976.31,4274.08 7976.31,4263.69 8017.2,4222.8 U7.7@8017.2,4186.54
SIN_C: R19.1 R25.2 U5.7 | length 222.5
  Top Layer 1 w8: U5.7@8224.65,3372.8 8267.36,3372.8 8316.06,3421.5 R19.1@8320,3421.5 R25.2@8320,3528.5
SIN_D: R44.1 R50.2 U6.7 | length 158.7
  Top Layer 1 w8: U6.7@2992.8,3915.35 2992.8,3877.2 3010.52,3859.48 3015.96,3859.48 3041.5,3833.94 R44.1@3041.5,3830 R50.2@3041.5,3780
TD_N: J5.2 R69.2 U8.20 | length 663.2
  Top Layer 1 w8: v1(6999.19,5119.76) 6997.71,5121.24 6997.71,5129.04 6981,5145.75 6981,5193.57 6979.31,5195.26 6979.31,5200.38 6971.5,5208.19 6979.31,5216 6979.31,5222.93 6981,5224.62 6981,5246.61 7049.52,5315.13 7049.52,5359.89 7021.31,5388.1 7014.69,5388.1 7010,5383.41 J5.2@7010,5331.5 ; U8.20@7149.53,4966.3 7148.69,4967.14 7148.69,5030.63 7153.37,5035.31 7154.27,5035.31 7158.14,5039.19 v1(7160.24,5039.19)
  Bottom Layer 1 w8: v1(6999.19,5119.76) 7000.67,5118.28 7008.47,5118.28 7087.56,5039.19 v1(7160.24,5039.19)
TD_P: J5.1 R70.2 U8.21 | length 675.2
  Top Layer 1 w8: J5.1@6960,5431.5 6993,5398.5 6999.63,5398.5 7007.23,5406.1 7028.77,5406.1 7067.52,5367.35 7067.52,5307.67 6999,5239.15 6999,5224.62 7000.69,5222.93 7000.69,5216 7008.5,5208.19 7000.69,5200.38 7000.69,5195.26 6999,5193.57 6999,5153.2 7010.72,5141.48 7018.52,5141.48 v1(7020,5140) ; U8.21@7129.84,4966.3 7130.69,4967.14 7130.69,5038.08 7138.52,5045.92 7138.52,5058.52 v1(7140,5060)
  Bottom Layer 1 w8: v1(7020,5140) 7021.48,5138.52 7021.48,5130.72 7095.01,5057.19 7131.71,5057.19 7133.04,5058.52 7138.52,5058.52 v1(7140,5060)
VCAP0: C54.1 U11.71 | length 129.6
  Top Layer 1 w8: 5476.3,4043.7 U11.71@5476.3,4089.53
  Top Layer 1 w12: 5476.3,4043.7 5480,4040 C54.1@5480,3961.5
VCAP1: C55.1 U11.106 | length 168.6
  Top Layer 1 w8: U11.106@5571.97,4815.12 5615.12,4815.12
  Top Layer 1 w12: 5615.12,4815.12 5733.62,4815.12 C55.1@5738.5,4820
VCC: C46_MA.1 C46_MB.1 C46_MC.1 C46_MD.1 C46_ME.1 C47_MA.1 C47_MB.1 C47_MC.1 C47_MD.1 C47_ME.1 C48_MA.1 C48_MB.1 C48_MC.1 C48_MD.1 C48_ME.1 J6.1 J6.2 J6.5 J8_MA.A1 J8_MA.A2 J8_MA.A3 J8_MA.A4 J8_MA.A5 J8_MA.A6 J8_MA.A7 J8_MA.A8 J8_MA.A9 J8_MA.A10 J8_MA.A11 J8_MB.A1 J8_MB.A2 J8_MB.A3 J8_MB.A4 J8_MB.A5 J8_MB.A6 J8_MB.A7 J8_MB.A8 J8_MB.A9 J8_MB.A10 J8_MB.A11 J8_MC.A1 J8_MC.A2 J8_MC.A3 J8_MC.A4 J8_MC.A5 J8_MC.A6 J8_MC.A7 J8_MC.A8 J8_MC.A9 J8_MC.A10 J8_MC.A11 J8_MD.A1 J8_MD.A2 J8_MD.A3 J8_MD.A4 J8_MD.A5 J8_MD.A6 J8_MD.A7 J8_MD.A8 J8_MD.A9 J8_MD.A10 J8_MD.A11 J8_ME.A1 J8_ME.A2 J8_ME.A3 J8_ME.A4 J8_ME.A5 J8_ME.A6 J8_ME.A7 J8_ME.A8 J8_ME.A9 J8_ME.A10 J8_ME.A11 R88.2 | length 4862.2
  Top Layer 1 w8: R88.2@4248.5,5940 4249.25,5940.75 4249.25,6029.25 v1(4250,6030)
  Bottom Layer 1 w8: J6.5@3654.96,3767.17 3177.17,3767.17 3080,3670 2740,3670 2470,3940 2470,4940 2480,4950 2630,4950 2690,5010 2690,5300 3460,6070 4210,6070 v1(4250,6030)
  other v1: 3730,3590 3770,3590 3810,3590 3710,3630 3710,3670 3490,3710 3530,3710 3570,3710 3610,3710 3650,3710 3710,3710 3750,3710 3790,3710 3490,3750 3530,3750 3570,3750 3610,3750 3710,3750 3490,3790 3530,3790 3570,3790 3610,3790 3710,3790 3490,3830 3530,3830 3570,3830 3610,3830 3650,3830 3690,3830 3730,3830 3770,3830 3810,3830 3490,3870 3530,3870 3570,3870 3690,3870 3730,3870 3770,3870 3810,3870
pads on no net: HV_FB.2 J5.7 J5.None J6.9 J7.NC J8_MA. J8_MA.A13 J8_MA.A17 J8_MA.A18 J8_MA.B12 J8_MA.B13 J8_MA.B14 J8_MB. J8_MB.A13 J8_MB.A17 J8_MB.A18 J8_MB.B12 J8_MB.B13 J8_MB.B14 J8_MC. J8_MC.A13 J8_MC.A17 J8_MC.A18 J8_MC.B12 J8_MC.B13 J8_MC.B14 J8_MD. J8_MD.A13 J8_MD.A17 J8_MD.A18 J8_MD.B12 J8_MD.B13 J8_MD.B14 J8_ME. J8_ME.A13 J8_ME.A17 J8_ME.A18 J8_ME.B12 J8_ME.B13 J8_ME.B14 J9.6 J12.9 J12.10 J12.11 J12.12 J12.13 J12.14 S1.1 S1.3 U9.1 U9.10 U9.11 U9.12 U10.1 U10.2 U10.3 U10.7 U10.9 U10.10 U10.11 U10.14 U10.16 U10.17 U10.18 U10.19 U10.20 U10.21 U10.23 U10.25 U10.28 U10.30 U10.32 U11.4 U11.87 U11.92 U11.102 U11.103 U11.104 U11.110 U11.123 U11.134 U12.1
copper on no net:
  other v1: 3464.44,3055.84 7535.56,3055.84 3524.85,3079.23 7595.98,3079.23 3400.21,3082.71 7471.33,3082.71 3374.44,3145.84 3554.44,3145.84 7445.56,3145.84 7625.56,3145.84 3398.14,3206.51 3530.13,3207.16 7469.26,3206.51 7601.25,3207.16 3464.44,3235.84 7535.56,3235.84 3365.93,4655.84 7634.07,4655.84 3426.35,4679.23 7694.48,4679.23 3301.7,4682.71 7569.84,4682.71 3275.93,4745.84 3455.93,4745.84 7544.07,4745.84 7724.37,4746.02 3299.63,4806.51 3431.62,4807.16 7567.77,4806.51 7699.76,4807.16 3365.93,4835.84 7634.07,4835.84 4590,5450 6400,5450 4650.42,5473.39 6460.42,5473.39 4525.77,5476.87 6335.77,5476.87 4500,5540 4680,5540 6310,5540 6490,5540 4523.7,5600.67 4655.69,5601.32 6333.7,5600.67 6465.69,5601.32 4590,5630 6400,5630
  other v4: 3464.44,3145.84 7535.56,3145.84 3365.93,4745.84 7634.07,4745.84 4590,5540 6400,5540

## Polygon pours and split planes (outlines as drawn)
GND on Top Layer 1 "NONET_L01_P-001" (solid, pour order 12): 3430,3690 3840,3690 3840,3280 3440,3280 3430,3290
GND on Top Layer 1 "NONET_L01_P-001" (solid, pour order 7): 4250,4870 4250,4360 4550,4360 4550,4870
VCC on Top Layer 1 "NONET_L01_P-001" (solid, pour order 11): 3430,3900 3430,3693.97 3690.48,3693.97 3690.48,3570 3840,3570 3840,3900
GND on Top Layer 1 "NONET_L01_P-001" (solid, pour order 8): 6950,5037.9 6950,4690 6730,4690 6730,5037.9
GND on Top Layer 1 "NONET_L01_P-001" (solid, pour order 6): 7440,5260 7580,5260 7580,5090 7440,5090
3V3 on Top Layer 1 "NONET_L01_P-001" (solid, pour order 0): 4470,4190 4470,4100 4470,4080 4550,4080 4550,4100 4550,4190
3V3 on Bottom Layer "NONET_L01_P-001" (solid, pour order 4): 2400,6200 2400,2800 8600,2800 8600,6200
LAN_VDD1A on Bottom Layer "NONET_L01_P-001" (solid, pour order 2): 6740,5470 7530,5470 7530,4960 6740,4960
VCC on Bottom Layer "NONET_L01_P-001" (solid, pour order 1): 3430,3900 3430,3240 7260,3240 7260,3780 3870,3780 3870,3900
VCC on Bottom Layer 1 "NONET_L01_P-001" (solid, pour order 9): 3430,3900 3430,3693.97 3690,3693.97 3690,3570 3840,3570 3840,3900
GND on Bottom Layer 1 "NONET_L01_P-001" (solid, pour order 10): 3430,3780 7260,3780 7260,3240 3460.83,3240 3430,3270.83
GND on Top Layer "NONET_L01_P-001" (solid, pour order 5): 2400,6200 2400,2800 8600,2800 8600,6200

## Silkscreen, mask and mechanical layers (free items; w line width, h text height)
Top Overlay:
  drawing of 15 lines, arcs and shapes, not listed
  text "RST" at 3340,5908.49 h32 r45
  text "[DIR SPD]" at 7560,5700 h36 r315
  text "[+ A B -]" at 7930,5330 h36 r315
  text "MB 2.1" at 6295,3975 h90
Bottom Overlay:
  lines w10: 4589.97,4494.21 5300,4500 ; 4590,4000 5300,4000 5300,4660 4590,4660 4590,4000
  text "UBC Thunderbots / Mainboard V2.1" at 5258.32,4497.06 h32
  text "Liam Bontkes / Taylor Fraser / Matthew Tong / Dominic Klukas / Francesca Crema / Dannon Sturn / Simon Zheng" at 5260,4080 h32
Mechanical 1:
  lines w10: 8344.43,5350.54 cw(c8340.89,5347) 8345.89,5347 ; 2424.13,3154.63 ccw(c2429.13,3154.63) 2424.9,3151.98 2424.9,3151.96 ; 2424.13,3154.63 ccw(c2429.13,3154.63) 2424.9,3151.96 ; 2424.13,3154.63 2424.13,3469.59 ; 2424.13,3469.59 cw(c2429.13,3469.59) 2428.23,3474.51 ; 2424.13,3469.59 cw(c2429.13,3469.59) 2428.23,3474.51 ; 2424.13,3860.98 ccw(c2429.13,3860.98) 2428.23,3856.06 ; 2424.13,3860.98 ccw(c2429.13,3860.98) 2428.23,3856.06 ; 2424.13,3860.98 2424.13,4991.58 ; 2424.13,4991.58 cw(c2429.13,4991.58) 2429.08,4996.59 ; 2424.13,4991.58 cw(c2429.13,4991.58) 2429.08,4996.59 ; 2424.9,3151.96 2635.12,2816.26 ; 2428.23,3474.51 2456.16,3479.64 2482.69,3488.66 2507.63,3501.46 2530.44,3517.75 2550.63,3537.19 2567.77,3559.37 2581.5,3583.8 2591.52,3609.98 2597.61,3637.34 2599.66,3665.29 2597.61,3693.24 2591.52,3720.6 2581.5,3746.77 2567.77,3771.21 2550.63,3793.38 2530.44,3812.83 2507.63,3829.12 2482.69,3841.91 2456.16,3850.94 2428.23,3856.06 ; 2429.08,4996.59 2580.06,4998.33 2596.77,5000.21 2612.35,5005.66 2626.33,5014.44 2638,5026.11 2646.78,5040.09 2652.23,5055.67 2654.11,5072.35 2654.11,5347 ; 2635.12,2816.26 ccw(c2639.37,2818.9) 2639.37,2813.9 ; 2635.12,2816.26 2635.13,2816.24 ccw(c2639.37,2818.9) 2639.37,2813.9 ; 2639.37,2813.9 8360.63,2813.9 ; 2654.11,5347 cw(c2659.11,5347) 2655.59,5350.56 ; 2654.11,5347 cw(c2659.11,5347) 2655.57,5350.54 2655.59,5350.56 ; 2655.59,5350.56 3408.55,6103.52 ; 3408.55,6103.52 cw(c3412.11,6100) 3412.11,6105 ; 3408.55,6103.52 3408.57,6103.54 cw(c3412.11,6100) 3412.11,6105 ; 3412.11,6105 4476.38,6105 ; 4476.38,6105 cw(c4476.38,6100) 4481.38,6100 ; 4476.38,6105 cw(c4476.38,6100) 4481.38,6100 ; 4481.38,6100 4481.38,5697.91 6518.62,5697.91 6518.62,6100 ; 6518.62,6100 cw(c6523.62,6100) 6523.62,6105 ; 6518.62,6100 cw(c6523.62,6100) 6523.62,6105 ; 6523.62,6105 7587.89,6105 ; 7587.89,6105 cw(c7587.89,6100) 7591.45,6103.52 ; 7587.89,6105 cw(c7587.89,6100) 7591.43,6103.54 7591.45,6103.52 ; 7591.45,6103.52 8344.41,5350.56 ; 8344.41,5350.56 cw(c8340.89,5347) 8345.89,5347 ; 8344.41,5350.56 8344.42,5350.54 ; 8345.89,5347 8345.89,5072.35 8347.77,5055.67 8353.22,5040.09 8362,5026.11 8373.67,5014.44 8387.65,5005.66 8403.23,5000.21 8419.94,4998.33 8570.92,4996.59 ; 8360.63,2813.9 ccw(c8360.63,2818.9) 8364.86,2816.24 ; 8360.63,2813.9 ccw(c8360.63,2818.9) 8364.87,2816.26 ; 8364.87,2816.26 8575.09,3151.96 ; 8364.86,2816.24 8364.87,2816.26 ; 8570.92,4996.59 cw(c8570.87,4991.58) 8575.87,4991.58 ; 8570.92,4996.59 cw(c8570.87,4991.58) 8575.87,4991.58 ; 8571.77,3474.51 cw(c8570.87,3469.59) 8575.87,3469.59 ; 8571.77,3474.51 cw(c8570.87,3469.59) 8575.87,3469.59 ; 8571.77,3474.51 8543.84,3479.64 8517.31,3488.66 8492.37,3501.46 8469.56,3517.75 8449.37,3537.19 8432.23,3559.37 8418.5,3583.8 8408.48,3609.98 8402.38,3637.34 8400.34,3665.29 8402.38,3693.24 8408.48,3720.6 8418.5,3746.77 8432.23,3771.21 8449.37,3793.38 8469.56,3812.83 8492.37,3829.12 8517.31,3841.91 8543.84,3850.94 8571.77,3856.06 ; 8571.77,3856.06 ccw(c8570.87,3860.98) 8575.87,3860.98 ; 8571.77,3856.06 ccw(c8570.87,3860.98) 8575.87,3860.98 ; 8575.09,3151.96 ccw(c8570.87,3154.63) 8575.87,3154.63 ; 8575.09,3151.96 8575.1,3151.98 ccw(c8570.87,3154.63) 8575.87,3154.63 ; 8575.87,3154.63 8575.87,3469.59 ; 8575.87,3860.98 8575.87,4991.58

## Dimensions
7870,2830 to 7587.89,6100 on Mechanical 16
2429.13,3860.98 to 8560,3930 on Mechanical 16
4590,5540 to 6400,5540 on Mechanical 16
3464.44,3145.84 to 6902.05,3250.63 on Mechanical 16
3464.44,3145.84 to 6202.05,3249.37 on Mechanical 16
3464.44,3145.84 to 5502.05,3250.63 on Mechanical 16
3464.44,3145.84 to 4802.05,3249.37 on Mechanical 16
3464.44,3145.84 to 4102.05,3249.37 on Mechanical 16

## Text inside footprints (layer, text, board x,y; h text height)
J5: Bottom Overlay "+" at 6904.1,5902.14 h32; Bottom Overlay "-" at 6994.5,5836.98 h32; Bottom Overlay "-" at 7290.38,5902.22 h32; Bottom Overlay "+" at 7400.72,5842.03 h32; Mechanical 4 "1" at 6934.03,5445.56 h32; Mechanical 4 "3" at 7034.72,5446.02 h32; Mechanical 4 "5" at 7135,5445.47 h32; Mechanical 4 "7" at 7235.34,5445.89 h32; Mechanical 4 "8" at 7285.66,5345.21 h32; Mechanical 4 "6" at 7185.29,5344.78 h32; Mechanical 4 "4" at 7084.88,5345.89 h32; Mechanical 4 "2" at 6984.48,5345.52 h32; Mechanical 4 "LEFT" at 6934.12,6060.86 h32; Mechanical 4 "RIGHT" at 7423.46,6060.45 h32; Mechanical 4 "FRONT" at 7197.68,5934.89 h32; Mechanical 4 "9" at 6889.53,5791.88 h32; Mechanical 4 "10" at 7024.61,5726.85 h32; Mechanical 4 "11" at 7305.37,5791.91 h32; Mechanical 4 "12" at 7440.23,5736.7 h32; Mechanical 4 "1" at 6934.03,5445.56 h32; Mechanical 4 "3" at 7034.72,5446.02 h32; Mechanical 4 "5" at 7135,5445.47 h32; Mechanical 4 "7" at 7235.34,5445.89 h32; Mechanical 4 "8" at 7285.66,5345.21 h32; Mechanical 4 "6" at 7185.29,5344.78 h32; Mechanical 4 "4" at 7084.88,5345.89 h32; Mechanical 4 "2" at 6984.48,5345.52 h32; Mechanical 4 "LEFT" at 6934.12,6060.86 h32; Mechanical 4 "RIGHT" at 7423.46,6060.45 h32; Mechanical 4 "FRONT" at 7197.68,5934.89 h32; Mechanical 4 "9" at 6889.53,5791.88 h32; Mechanical 4 "10" at 7024.61,5726.85 h32; Mechanical 4 "11" at 7305.37,5791.91 h32; Mechanical 4 "12" at 7440.23,5736.7 h32
J8_MA: Top Overlay "A1" at 6991.99,3831.34 h32; Top Overlay "B1" at 6710,3830 h32; Mechanical 13 "A1" at 6991.99,3831.34 h32; Mechanical 13 "B1" at 6710,3830 h32
J8_MB: Top Overlay "B1" at 6021.57,3834.33 h32; Top Overlay "A1" at 6281.57,3834.33 h32; Mechanical 13 "B1" at 6021.57,3834.33 h32; Mechanical 13 "A1" at 6281.57,3834.33 h32
J8_MC: Top Overlay "A1" at 5591.57,3835.59 h32; Top Overlay "B1" at 5311.57,3835.59 h32; Mechanical 13 "A1" at 5591.57,3835.59 h32; Mechanical 13 "B1" at 5311.57,3835.59 h32
J8_MD: Top Overlay "A1" at 4891.57,3834.33 h32; Top Overlay "B1" at 4611.57,3834.33 h32; Mechanical 13 "A1" at 4891.57,3834.33 h32; Mechanical 13 "B1" at 4611.57,3834.33 h32
J8_ME: Top Overlay "A1" at 4191.57,3832.83 h32; Top Overlay "B1" at 3911.57,3832.83 h32; Mechanical 13 "A1" at 4191.57,3832.83 h32; Mechanical 13 "B1" at 3911.57,3832.83 h32
S3: Top Overlay "-" at 6327.09,4445.51 h32 r90; Top Overlay "+" at 6327.09,5036.06 h32 r90; Mechanical 13 "-" at 6327.09,4445.51 h32 r90; Mechanical 13 "+" at 6327.09,5036.06 h32 r90
U10: Bottom Overlay "1" at 4398.69,5636.19 h32; Bottom Overlay "16" at 4448.69,4876.19 h32; Bottom Overlay "17" at 3668.69,4876.19 h32; Bottom Overlay "32" at 3683.69,5618.19 h32; Bottom Overlay "MB1467" at 4118.69,5850.19 h32